# Altium PCB CSI2-ZCU106-EVK_Rev01.PcbDoc (part 1 of 4) (continued)
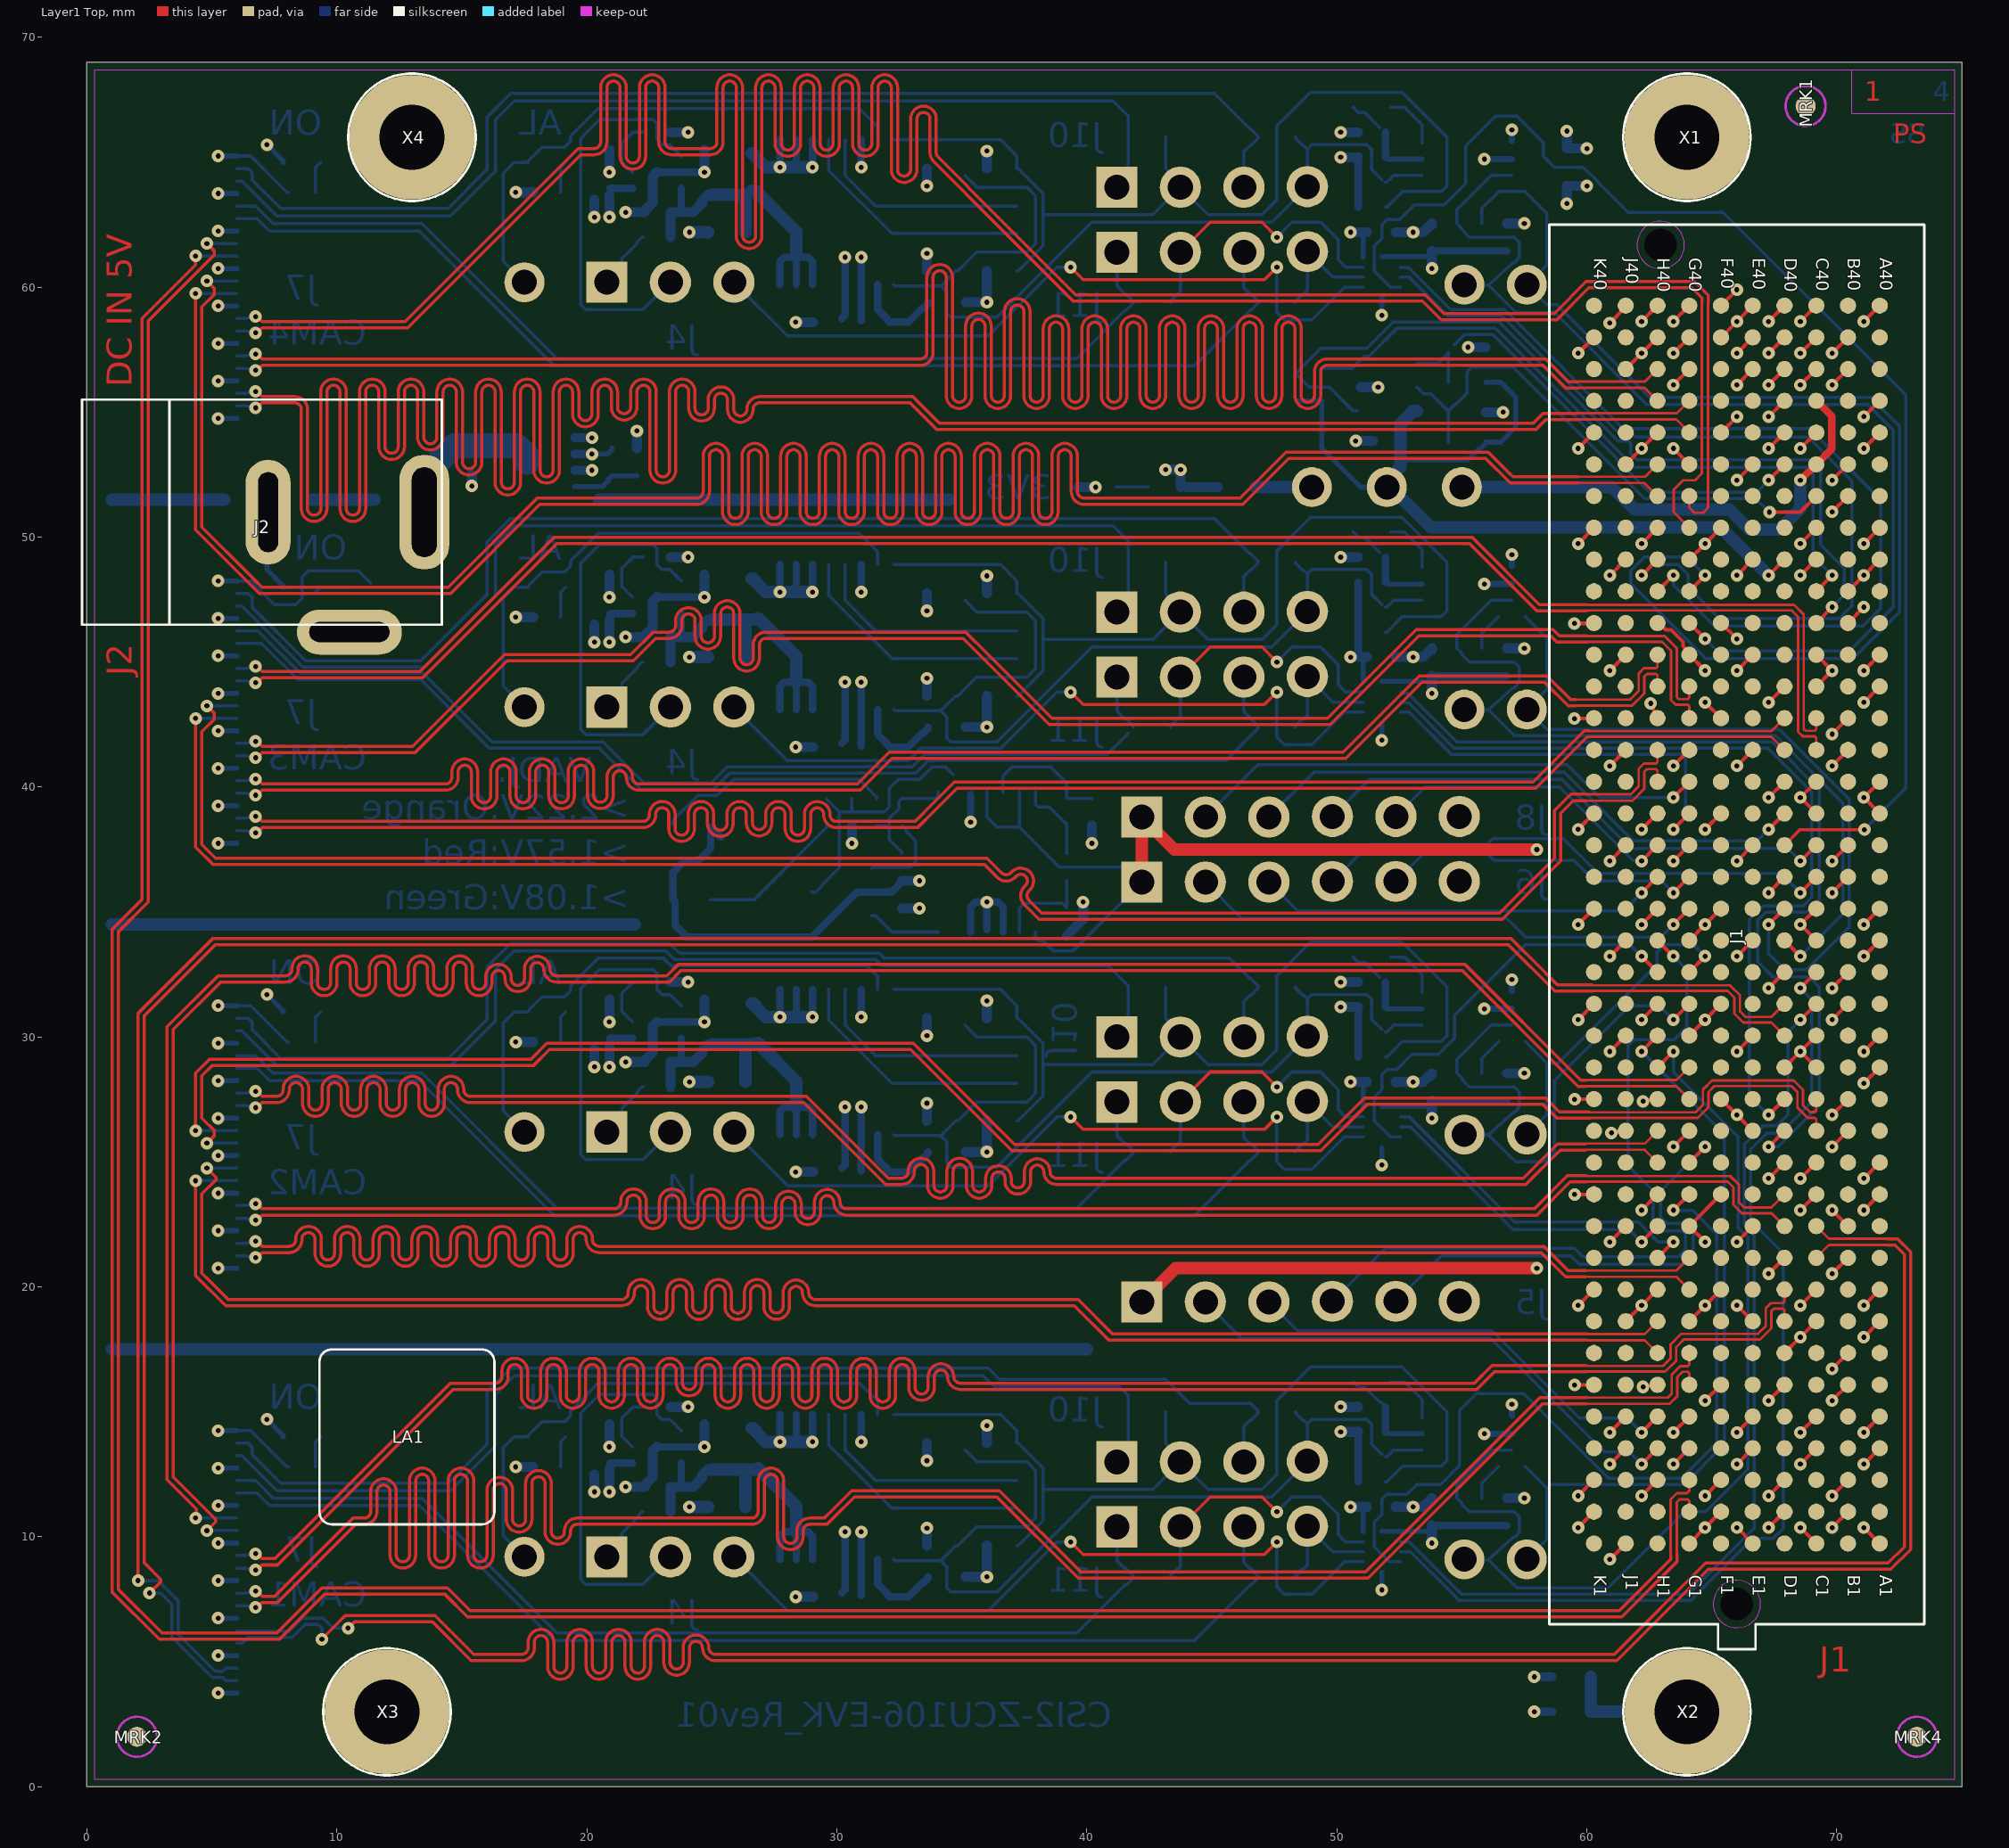
[diagram p0: Layer1 Top view]
## Classes and differential pairs
channel class CSI2-ZCU106-EVK-2_Rev01: CAM1 CAM2 CAM3 CAM4
component class CAM4: C1_CAM4 C13_CAM4 C14_CAM4 C15_CAM4 C16_CAM4 C17_CAM4 C18_CAM4 C19_CAM4 C20_CAM4 D5_CAM4 D6_CAM4 J3_CAM4 J4_CAM4 J7_CAM4 J10_CAM4 J11_CAM4 J12_CAM4 J13_CAM4 R18_CAM4 R21_CAM4 R33_CAM4 R34_CAM4 R35_CAM4 R36_CAM4 R37_CAM4 R38_CAM4 R39_CAM4 R40_CAM4 R41_CAM4 R42_CAM4 R43_CAM4 R44_CAM4 R45_CAM4 R46_CAM4 R47_CAM4 R48_CAM4 R49_CAM4 R50_CAM4 R51_CAM4 R52_CAM4 R53_CAM4 R54_CAM4 R55_CAM4 TP4_CAM4 TP5_CAM4 TP6_CAM4 U6_CAM4 U7_CAM4 U8_CAM4 U9_CAM4
component class CAM3: C1_CAM3 C13_CAM3 C14_CAM3 C15_CAM3 C16_CAM3 C17_CAM3 C18_CAM3 C19_CAM3 C20_CAM3 D5_CAM3 D6_CAM3 J3_CAM3 J4_CAM3 J7_CAM3 J10_CAM3 J11_CAM3 J12_CAM3 J13_CAM3 R18_CAM3 R21_CAM3 R33_CAM3 R34_CAM3 R35_CAM3 R36_CAM3 R37_CAM3 R38_CAM3 R39_CAM3 R40_CAM3 R41_CAM3 R42_CAM3 R43_CAM3 R44_CAM3 R45_CAM3 R46_CAM3 R47_CAM3 R48_CAM3 R49_CAM3 R50_CAM3 R51_CAM3 R52_CAM3 R53_CAM3 R54_CAM3 R55_CAM3 TP4_CAM3 TP5_CAM3 TP6_CAM3 U6_CAM3 U7_CAM3 U8_CAM3 U9_CAM3
component class CAM2: C1_CAM2 C13_CAM2 C14_CAM2 C15_CAM2 C16_CAM2 C17_CAM2 C18_CAM2 C19_CAM2 C20_CAM2 D5_CAM2 D6_CAM2 J3_CAM2 J4_CAM2 J7_CAM2 J10_CAM2 J11_CAM2 J12_CAM2 J13_CAM2 R18_CAM2 R21_CAM2 R33_CAM2 R34_CAM2 R35_CAM2 R36_CAM2 R37_CAM2 R38_CAM2 R39_CAM2 R40_CAM2 R41_CAM2 R42_CAM2 R43_CAM2 R44_CAM2 R45_CAM2 R46_CAM2 R47_CAM2 R48_CAM2 R49_CAM2 R50_CAM2 R51_CAM2 R52_CAM2 R53_CAM2 R54_CAM2 R55_CAM2 TP4_CAM2 TP5_CAM2 TP6_CAM2 U6_CAM2 U7_CAM2 U8_CAM2 U9_CAM2
component class CAM1: C1_CAM1 C13_CAM1 C14_CAM1 C15_CAM1 C16_CAM1 C17_CAM1 C18_CAM1 C19_CAM1 C20_CAM1 D5_CAM1 D6_CAM1 J3_CAM1 J4_CAM1 J7_CAM1 J10_CAM1 J11_CAM1 J12_CAM1 J13_CAM1 R18_CAM1 R21_CAM1 R33_CAM1 R34_CAM1 R35_CAM1 R36_CAM1 R37_CAM1 R38_CAM1 R39_CAM1 R40_CAM1 R41_CAM1 R42_CAM1 R43_CAM1 R44_CAM1 R45_CAM1 R46_CAM1 R47_CAM1 R48_CAM1 R49_CAM1 R50_CAM1 R51_CAM1 R52_CAM1 R53_CAM1 R54_CAM1 R55_CAM1 TP4_CAM1 TP5_CAM1 TP6_CAM1 U6_CAM1 U7_CAM1 U8_CAM1 U9_CAM1
component class CSI2-ZCU106-EVK-1_Rev01: C2 C3 D1 D2 D3 J1 J2 J5 J6 J8 LA1 MRK1 MRK2 MRK3 MRK4 MRK5 MRK6 PCB1 Q1 Q2 R1 R2 R3 R4 R5 R6 R7 R8 R9 R10 R11 R12 R13 R14 R15 R16 R17 R19 R20 R30 R31 R32 T1 T2 TP1 TP2 TP3 U1 U2 X1 X2 X3 X4
differential pair B7-CSI2-TXD3_CAM4: +B7-CSI2-TXD3_CAM4_P -B7-CSI2-TXD3_CAM4_N
differential pair B7-CSI2-TXD3_CAM3: +B7-CSI2-TXD3_CAM3_P -B7-CSI2-TXD3_CAM3_N
differential pair B7-CSI2-TXD3_CAM2: +B7-CSI2-TXD3_CAM2_P -B7-CSI2-TXD3_CAM2_N
differential pair B7-CSI2-TXD3_CAM1: +B7-CSI2-TXD3_CAM1_P -B7-CSI2-TXD3_CAM1_N
differential pair B7-CSI2-TXD2_CAM4: +B7-CSI2-TXD2_CAM4_P -B7-CSI2-TXD2_CAM4_N
differential pair B7-CSI2-TXD2_CAM3: +B7-CSI2-TXD2_CAM3_P -B7-CSI2-TXD2_CAM3_N
differential pair B7-CSI2-TXD2_CAM2: +B7-CSI2-TXD2_CAM2_P -B7-CSI2-TXD2_CAM2_N
differential pair B7-CSI2-TXD2_CAM1: +B7-CSI2-TXD2_CAM1_P -B7-CSI2-TXD2_CAM1_N
differential pair B7-CSI2-TXD1_CAM4: +B7-CSI2-TXD1_CAM4_P -B7-CSI2-TXD1_CAM4_N
differential pair B7-CSI2-TXD1_CAM3: +B7-CSI2-TXD1_CAM3_P -B7-CSI2-TXD1_CAM3_N
differential pair B7-CSI2-TXD1_CAM2: +B7-CSI2-TXD1_CAM2_P -B7-CSI2-TXD1_CAM2_N
differential pair B7-CSI2-TXD1_CAM1: +B7-CSI2-TXD1_CAM1_P -B7-CSI2-TXD1_CAM1_N
differential pair B7-CSI2-TXD0_CAM4: +B7-CSI2-TXD0_CAM4_P -B7-CSI2-TXD0_CAM4_N
differential pair B7-CSI2-TXD0_CAM3: +B7-CSI2-TXD0_CAM3_P -B7-CSI2-TXD0_CAM3_N
differential pair B7-CSI2-TXD0_CAM2: +B7-CSI2-TXD0_CAM2_P -B7-CSI2-TXD0_CAM2_N
differential pair B7-CSI2-TXD0_CAM1: +B7-CSI2-TXD0_CAM1_P -B7-CSI2-TXD0_CAM1_N
differential pair B7-CSI2-TXC_CAM4: +B7-CSI2-TXC_CAM4_P -B7-CSI2-TXC_CAM4_N
differential pair B7-CSI2-TXC_CAM3: +B7-CSI2-TXC_CAM3_P -B7-CSI2-TXC_CAM3_N
differential pair B7-CSI2-TXC_CAM2: +B7-CSI2-TXC_CAM2_P -B7-CSI2-TXC_CAM2_N
differential pair B7-CSI2-TXC_CAM1: +B7-CSI2-TXC_CAM1_P -B7-CSI2-TXC_CAM1_N

## Components (designator, comment, footprint, x,y, rotation, side; value= is the part's Value field where it differs from the comment)
C1_CAM1 "100n" C-0402_0.55 29.6,7.6 r180 bottom (schematic designator C1)
C1_CAM2 "100n" C-0402_0.55 29.6,24.6 r180 bottom (schematic designator C1)
C1_CAM3 "100n" C-0402_0.55 29.6,41.6 r180 bottom (schematic designator C1)
C1_CAM4 "100n" C-0402_0.55 29.6,58.6 r180 bottom (schematic designator C1)
C2 "100n" C-0402_0.55 52,53.8 r180 bottom
C3 "NL" C-0603_1.0 59.4,3 r0 bottom
C13_CAM1 "100n" C-0402_0.55 31.6,7.6 r180 bottom (schematic designator C13)
C13_CAM2 "100n" C-0402_0.55 31.6,24.6 r180 bottom (schematic designator C13)
C13_CAM3 "100n" C-0402_0.55 31.6,41.6 r180 bottom (schematic designator C13)
C13_CAM4 "100n" C-0402_0.55 31.6,58.6 r180 bottom (schematic designator C13)
C14_CAM1 "10u" C-0805_1.4 25,13.6 r90 bottom (schematic designator C14)
C14_CAM2 "10u" C-0805_1.4 25,30.6 r90 bottom (schematic designator C14)
C14_CAM3 "10u" C-0805_1.4 25,47.6 r90 bottom (schematic designator C14)
C14_CAM4 "10u" C-0805_1.4 25,64.6 r90 bottom (schematic designator C14)
C15_CAM1 "10u" C-0805_1.4 20.6,13.6 r90 bottom (schematic designator C15)
C15_CAM2 "10u" C-0805_1.4 20.6,30.6 r90 bottom (schematic designator C15)
C15_CAM3 "10u" C-0805_1.4 20.6,47.6 r90 bottom (schematic designator C15)
C15_CAM4 "10u" C-0805_1.4 20.6,64.6 r90 bottom (schematic designator C15)
C16_CAM1 "100n" C-0402_0.55 22.8,12 r180 bottom (schematic designator C16)
C16_CAM2 "100n" C-0402_0.55 22.8,29 r180 bottom (schematic designator C16)
C16_CAM3 "100n" C-0402_0.55 22.8,46 r180 bottom (schematic designator C16)
C16_CAM4 "100n" C-0402_0.55 22.8,63 r180 bottom (schematic designator C16)
C17_CAM1 "100n" C-0402_0.55 56.8,11 r90 bottom (schematic designator C17)
C17_CAM2 "100n" C-0402_0.55 56.8,28 r90 bottom (schematic designator C17)
C17_CAM3 "100n" C-0402_0.55 56.8,45 r90 bottom (schematic designator C17)
C17_CAM4 "100n" C-0402_0.55 56.8,62 r90 bottom (schematic designator C17)
C18_CAM1 "100p" C-0402_0.55 51.4,15.2 r180 bottom (schematic designator C18)
C18_CAM2 "100p" C-0402_0.55 51.4,32.2 r180 bottom (schematic designator C18)
C18_CAM3 "100p" C-0402_0.55 51.4,49.2 r180 bottom (schematic designator C18)
C18_CAM4 "100p" C-0402_0.55 51.4,66.2 r180 bottom (schematic designator C18)
C19_CAM1 "100n" C-0402_0.55 53.8,11 r90 bottom (schematic designator C19)
C19_CAM2 "100n" C-0402_0.55 53.8,28 r90 bottom (schematic designator C19)
C19_CAM3 "100n" C-0402_0.55 53.8,45 r90 bottom (schematic designator C19)
C19_CAM4 "100n" C-0402_0.55 53.8,62 r90 bottom (schematic designator C19)
C20_CAM1 "100n" C-0402_0.55 51.8,11.2 r0 bottom (schematic designator C20)
C20_CAM2 "100n" C-0402_0.55 51.8,28.2 r0 bottom (schematic designator C20)
C20_CAM3 "100n" C-0402_0.55 51.8,45.2 r0 bottom (schematic designator C20)
C20_CAM4 "100n" C-0402_0.55 51.8,62.2 r0 bottom (schematic designator C20)
D1 "GREEN" D-0603-LED 40.4,52 r0 bottom
D2 "ESD9B5.0ST5G" D-SOD923 15.4,53 r90 bottom
D3 "RT/GN" LED-PLCC4 24.2,37 r0 bottom
D5_CAM1 "RED" D-0603-LED 18.4,14 r0 bottom (schematic designator D5)
D5_CAM2 "RED" D-0603-LED 18.4,31 r0 bottom (schematic designator D5)
D5_CAM3 "RED" D-0603-LED 18.4,48 r0 bottom (schematic designator D5)
D5_CAM4 "RED" D-0603-LED 18.4,65 r0 bottom (schematic designator D5)
D6_CAM1 "GREEN" D-0603-LED 8.6,14 r0 bottom (schematic designator D6)
D6_CAM2 "GREEN" D-0603-LED 8.6,31 r0 bottom (schematic designator D6)
D6_CAM3 "GREEN" D-0603-LED 8.6,48 r0 bottom (schematic designator D6)
D6_CAM4 "GREEN" D-0603-LED 8.6,65 r0 bottom (schematic designator D6)
J1 "FMC HPC Male" J-ASP-134488-01 66,34.5 r270 top locked
J2 "PowerJack" CON_RAPC722 13.5,51 r270 top
J3_CAM1 "Jumper" J-JUMPER-2.54 22,9.2 r0 bottom (schematic designator J3)
J3_CAM2 "Jumper" J-JUMPER-2.54 22,26.2 r0 bottom (schematic designator J3)
J3_CAM3 "Jumper" J-JUMPER-2.54 22,43.2 r0 bottom (schematic designator J3)
J3_CAM4 "Jumper" J-JUMPER-2.54 22,60.2 r0 bottom (schematic designator J3)
J4_CAM1 "CON1x3" "CON 1x3 RM2.54" 20.8,9.2 r0 bottom (schematic designator J4)
J4_CAM2 "CON1x3" "CON 1x3 RM2.54" 20.8,26.2 r0 bottom (schematic designator J4)
J4_CAM3 "CON1x3" "CON 1x3 RM2.54" 20.8,43.2 r0 bottom (schematic designator J4)
J4_CAM4 "CON1x3" "CON 1x3 RM2.54" 20.8,60.2 r0 bottom (schematic designator J4)
J5 "CON1x6" "CON 1x6 RM2.54" 42.2,19.4 r0 bottom
J6 "CON1x6" "CON 1x6 RM2.54" 42.2,36.2 r0 bottom
J7_CAM1 "CON FFC22_Inverted" "J-FH55-22S-0.5SH - Inverted Pins" 6,9 r90 bottom (schematic designator J7)
J7_CAM2 "CON FFC22_Inverted" "J-FH55-22S-0.5SH - Inverted Pins" 6,26 r90 bottom (schematic designator J7)
J7_CAM3 "CON FFC22_Inverted" "J-FH55-22S-0.5SH - Inverted Pins" 6,43 r90 bottom (schematic designator J7)
J7_CAM4 "CON FFC22_Inverted" "J-FH55-22S-0.5SH - Inverted Pins" 6,60 r90 bottom (schematic designator J7)
J8 "CON1x6" "CON 1x6 RM2.54" 42.2,38.8 r0 bottom
J10_CAM1 "CON1x4" "CON 1x4 RM2.54" 41.2,13 r0 bottom (schematic designator J10)
J10_CAM2 "CON1x4" "CON 1x4 RM2.54" 41.2,30 r0 bottom (schematic designator J10)
J10_CAM3 "CON1x4" "CON 1x4 RM2.54" 41.2,47 r0 bottom (schematic designator J10)
J10_CAM4 "CON1x4" "CON 1x4 RM2.54" 41.2,64 r0 bottom (schematic designator J10)
J11_CAM1 "CON1x4" "CON 1x4 RM2.54" 41.2,10.4 r0 bottom (schematic designator J11)
J11_CAM2 "CON1x4" "CON 1x4 RM2.54" 41.2,27.4 r0 bottom (schematic designator J11)
J11_CAM3 "CON1x4" "CON 1x4 RM2.54" 41.2,44.4 r0 bottom (schematic designator J11)
J11_CAM4 "CON1x4" "CON 1x4 RM2.54" 41.2,61.4 r0 bottom (schematic designator J11)
J12_CAM1 "Jumper" J-JUMPER-2.54 42.4,10.4 r0 bottom (schematic designator J12)
J12_CAM2 "Jumper" J-JUMPER-2.54 42.4,27.4 r0 bottom (schematic designator J12)
J12_CAM3 "Jumper" J-JUMPER-2.54 42.4,44.4 r0 bottom (schematic designator J12)
J12_CAM4 "Jumper" J-JUMPER-2.54 42.4,61.4 r0 bottom (schematic designator J12)
J13_CAM1 "Jumper" J-JUMPER-2.54 47.6,10.4 r0 bottom (schematic designator J13)
J13_CAM2 "Jumper" J-JUMPER-2.54 47.6,27.4 r0 bottom (schematic designator J13)
J13_CAM3 "Jumper" J-JUMPER-2.54 47.6,44.4 r0 bottom (schematic designator J13)
J13_CAM4 "Jumper" J-JUMPER-2.54 47.6,61.4 r0 bottom (schematic designator J13)
LA1 "LABEL 7x7mm" "PCB LABEL 7x7" 12.8,14 r0 top
MRK1 "Marker Single Layer" PCB_MARKER_PAD_TOP 68.75,67.25 r0 top
MRK2 "Marker Single Layer" PCB_Marker_Pad_top 2,2 r0 top
MRK3 "Marker Single Layer" PCB_MARKER_PAD_TOP 68.75,67.25 r180 bottom
MRK4 "Marker Single Layer" PCB_Marker_Pad_top 73.2,2 r0 top
MRK5 "Marker Single Layer" PCB_Marker_Pad_top 72,2 r180 bottom
MRK6 "Marker Single Layer" PCB_Marker_Pad_top 7,2 r180 bottom
Q1 "BC847C" IC-SOT23-3 30.2,35.8 r270 bottom
Q2 "Si7629DN" IC-POWERPAK_1212-8_3.4x3.4x1.1 18,53 r180 bottom
R1 "3k3" R-0402_0.4 40.2,39 r90 bottom
R2 "1k5" R-0402_0.4 43.2,52 r180 bottom
R3 "10k" R-0402_0.4 32.6,34.6 r270 bottom
R4 "10k" R-0402_0.4 32.6,36.8 r90 bottom
R5 "10k" R-0402_0.4 30.6,39 r90 bottom
R6 "0R0" R-0603_0.6 59.4,4.4 r180 bottom
R7 "2k0" R-0402_0.4 39.2,39 r270 bottom
R8 "240R" R-0402_0.4 31.6,39 r90 bottom
R9 "10k" R-0402_0.4 32.6,39 r270 bottom
R10 "240R" R-0402_0.4 29.6,39 r270 bottom
R11 "1k5" R-0402_0.4 39.2,36.8 r270 bottom
R12 "3k3" R-0402_0.4 39.2,34.6 r270 bottom
R13 "3k3" R-0402_0.4 48.4,56 r270 bottom
R14 "3k3" R-0402_0.4 49.4,56 r270 bottom
R15 "NL" R-0603_0.6 55.2,57.4 r0 bottom
R16 "NL" R-0603_0.6 55.2,55 r0 bottom
R17 "0R0" R-0603_0.6 59.2,64.8 r90 bottom
R18_CAM1 "NL" R-0603_0.6 25.6,11.2 r0 bottom (schematic designator R18)
R18_CAM2 "NL" R-0603_0.6 25.6,28.2 r0 bottom (schematic designator R18)
R18_CAM3 "NL" R-0603_0.6 25.6,45.2 r0 bottom (schematic designator R18)
R18_CAM4 "NL" R-0603_0.6 25.6,62.2 r0 bottom (schematic designator R18)
R19 "NL" R-0603_0.6 55.2,56.2 r180 bottom
R20 "NL" R-0603_0.6 55.2,53.8 r180 bottom
R21_CAM1 "0R0" R-0603_0.6 51.4,16.2 r0 bottom (schematic designator R21)
R21_CAM2 "0R0" R-0603_0.6 51.4,33.2 r0 bottom (schematic designator R21)
R21_CAM3 "0R0" R-0603_0.6 51.4,50.2 r0 bottom (schematic designator R21)
R21_CAM4 "0R0" R-0603_0.6 51.4,67.2 r0 bottom (schematic designator R21)
R30 "0R0" R-0603_0.6 46,52 r180 bottom
R31 "10k" R-0402_0.4 21,53 r270 bottom
R32 "10k" R-0402_0.4 22,53 r270 bottom
R33_CAM1 "NL" R-0603_0.6 26.6,13.6 r90 bottom (schematic designator R33)
R33_CAM2 "NL" R-0603_0.6 26.6,30.6 r90 bottom (schematic designator R33)
R33_CAM3 "NL" R-0603_0.6 26.6,47.6 r90 bottom (schematic designator R33)
R33_CAM4 "NL" R-0603_0.6 26.6,64.6 r90 bottom (schematic designator R33)
R34_CAM1 "NL" R-0603_0.6 36,13 r270 bottom (schematic designator R34)
R34_CAM2 "NL" R-0603_0.6 36,30 r270 bottom (schematic designator R34)
R34_CAM3 "NL" R-0603_0.6 36,47 r270 bottom (schematic designator R34)
R34_CAM4 "NL" R-0603_0.6 36,64 r270 bottom (schematic designator R34)
R35_CAM1 "0R0" R-0603_0.6 36,10.4 r90 bottom (schematic designator R35)
R35_CAM2 "0R0" R-0603_0.6 36,27.4 r90 bottom (schematic designator R35)
R35_CAM3 "0R0" R-0603_0.6 36,44.4 r90 bottom (schematic designator R35)
R35_CAM4 "0R0" R-0603_0.6 36,61.4 r90 bottom (schematic designator R35)
R36_CAM1 "NL" R-0603_0.6 37.2,13 r270 bottom (schematic designator R36)
R36_CAM2 "NL" R-0603_0.6 37.2,30 r270 bottom (schematic designator R36)
R36_CAM3 "NL" R-0603_0.6 37.2,47 r270 bottom (schematic designator R36)
R36_CAM4 "NL" R-0603_0.6 37.2,64 r270 bottom (schematic designator R36)
R37_CAM1 "NL" R-0603_0.6 37.2,10.4 r90 bottom (schematic designator R37)
R37_CAM2 "NL" R-0603_0.6 37.2,27.4 r90 bottom (schematic designator R37)
R37_CAM3 "NL" R-0603_0.6 37.2,44.4 r90 bottom (schematic designator R37)
R37_CAM4 "NL" R-0603_0.6 37.2,61.4 r90 bottom (schematic designator R37)
R38_CAM1 "0R0" R-0603_0.6 34.4,8.4 r180 bottom (schematic designator R38)
R38_CAM2 "0R0" R-0603_0.6 34.4,25.4 r180 bottom (schematic designator R38)
R38_CAM3 "0R0" R-0603_0.6 34.4,42.4 r180 bottom (schematic designator R38)
R38_CAM4 "0R0" R-0603_0.6 34.4,59.4 r180 bottom (schematic designator R38)
R39_CAM1 "NL" R-0603_0.6 34.8,13 r270 bottom (schematic designator R39)
R39_CAM2 "NL" R-0603_0.6 34.8,30 r270 bottom (schematic designator R39)
R39_CAM3 "NL" R-0603_0.6 34.8,47 r270 bottom (schematic designator R39)
R39_CAM4 "NL" R-0603_0.6 34.8,64 r270 bottom (schematic designator R39)
R40_CAM1 "NL" R-0603_0.6 34.8,10.4 r90 bottom (schematic designator R40)
R40_CAM2 "NL" R-0603_0.6 34.8,27.4 r90 bottom (schematic designator R40)
R40_CAM3 "NL" R-0603_0.6 34.8,44.4 r90 bottom (schematic designator R40)
R40_CAM4 "NL" R-0603_0.6 34.8,61.4 r90 bottom (schematic designator R40)
R41_CAM1 "0R0" R-0603_0.6 33.6,13 r270 bottom (schematic designator R41)
R41_CAM2 "0R0" R-0603_0.6 33.6,30 r270 bottom (schematic designator R41)
R41_CAM3 "0R0" R-0603_0.6 33.6,47 r270 bottom (schematic designator R41)
R41_CAM4 "0R0" R-0603_0.6 33.6,64 r270 bottom (schematic designator R41)
R42_CAM1 "NL" R-0603_0.6 33.6,10.4 r90 bottom (schematic designator R42)
R42_CAM2 "NL" R-0603_0.6 33.6,27.4 r90 bottom (schematic designator R42)
R42_CAM3 "NL" R-0603_0.6 33.6,44.4 r90 bottom (schematic designator R42)
R42_CAM4 "NL" R-0603_0.6 33.6,61.4 r90 bottom (schematic designator R42)
R43_CAM1 "1k5" R-0402_0.4 18.4,12.8 r0 bottom (schematic designator R43)
R43_CAM2 "1k5" R-0402_0.4 18.4,29.8 r0 bottom (schematic designator R43)
R43_CAM3 "1k5" R-0402_0.4 18.4,46.8 r0 bottom (schematic designator R43)
R43_CAM4 "1k5" R-0402_0.4 18.4,63.8 r0 bottom (schematic designator R43)
R44_CAM1 "270K" R-0402_0.4 22.8,11 r180 bottom (schematic designator R44)
R44_CAM2 "270K" R-0402_0.4 22.8,28 r180 bottom (schematic designator R44)
R44_CAM3 "270K" R-0402_0.4 22.8,45 r180 bottom (schematic designator R44)
R44_CAM4 "270K" R-0402_0.4 22.8,62 r180 bottom (schematic designator R44)
R45_CAM1 "3k3" R-0402_0.4 8.6,12.8 r0 bottom (schematic designator R45)
R45_CAM2 "3k3" R-0402_0.4 8.6,29.8 r0 bottom (schematic designator R45)
R45_CAM3 "3k3" R-0402_0.4 11,48 r180 bottom (schematic designator R45)
R45_CAM4 "3k3" R-0402_0.4 8.6,63.8 r0 bottom (schematic designator R45)
R46_CAM1 "51k" R-0402_0.4 22.8,15.2 r180 bottom (schematic designator R46)
R46_CAM2 "51k" R-0402_0.4 22.8,32.2 r180 bottom (schematic designator R46)
R46_CAM3 "51k" R-0402_0.4 22.8,49.2 r180 bottom (schematic designator R46)
R46_CAM4 "51k" R-0402_0.4 22.8,66.2 r180 bottom (schematic designator R46)
R47_CAM1 "0R0" R-0603_0.6 47.6,15 r0 bottom (schematic designator R47)
R47_CAM2 "0R0" R-0603_0.6 47.6,32 r0 bottom (schematic designator R47)
R47_CAM3 "0R0" R-0603_0.6 47.6,49 r0 bottom (schematic designator R47)
R47_CAM4 "0R0" R-0603_0.6 47.6,66 r0 bottom (schematic designator R47)
R48_CAM1 "0R0" R-0603_0.6 42.4,15 r0 bottom (schematic designator R48)
R48_CAM2 "0R0" R-0603_0.6 42.4,32 r0 bottom (schematic designator R48)
R48_CAM3 "0R0" R-0603_0.6 42.4,49 r0 bottom (schematic designator R48)
R48_CAM4 "0R0" R-0603_0.6 42.4,66 r0 bottom (schematic designator R48)
R49_CAM1 "NL" R-0603_0.6 47.6,8.4 r0 bottom (schematic designator R49)
R49_CAM2 "NL" R-0603_0.6 47.6,25.4 r0 bottom (schematic designator R49)
R49_CAM3 "NL" R-0603_0.6 47.6,42.4 r0 bottom (schematic designator R49)
R49_CAM4 "NL" R-0603_0.6 47.6,59.4 r0 bottom (schematic designator R49)
R50_CAM1 "NL" R-0603_0.6 42.6,8.4 r0 bottom (schematic designator R50)
R50_CAM2 "NL" R-0603_0.6 42.6,25.4 r0 bottom (schematic designator R50)
R50_CAM3 "NL" R-0603_0.6 42.6,42.4 r0 bottom (schematic designator R50)
R50_CAM4 "NL" R-0603_0.6 42.6,59.4 r0 bottom (schematic designator R50)
R51_CAM1 "200k" R-0402_0.4 51.4,14.2 r180 bottom (schematic designator R51)
R51_CAM2 "200k" R-0402_0.4 51.4,31.2 r180 bottom (schematic designator R51)
R51_CAM3 "200k" R-0402_0.4 51.4,48.2 r180 bottom (schematic designator R51)
R51_CAM4 "200k" R-0402_0.4 51.4,65.2 r180 bottom (schematic designator R51)
R52_CAM1 "2k0" R-0402_0.4 55.8,11 r90 bottom (schematic designator R52)
R52_CAM2 "2k0" R-0402_0.4 55.8,28 r90 bottom (schematic designator R52)
R52_CAM3 "2k0" R-0402_0.4 55.8,45 r90 bottom (schematic designator R52)
R52_CAM4 "2k0" R-0402_0.4 55.8,62 r90 bottom (schematic designator R52)
R53_CAM1 "2k0" R-0402_0.4 54.8,11 r90 bottom (schematic designator R53)
R53_CAM2 "2k0" R-0402_0.4 54.8,28 r90 bottom (schematic designator R53)
R53_CAM3 "2k0" R-0402_0.4 54.8,45 r90 bottom (schematic designator R53)
R53_CAM4 "2k0" R-0402_0.4 54.8,62 r90 bottom (schematic designator R53)
R54_CAM1 "2k0" R-0402_0.4 51.4,13.2 r180 bottom (schematic designator R54)
R54_CAM2 "2k0" R-0402_0.4 51.4,30.2 r180 bottom (schematic designator R54)
R54_CAM3 "2k0" R-0402_0.4 51.4,47.2 r180 bottom (schematic designator R54)
R54_CAM4 "2k0" R-0402_0.4 51.4,64.2 r180 bottom (schematic designator R54)
R55_CAM1 "2k0" R-0402_0.4 51.4,12.2 r180 bottom (schematic designator R55)
R55_CAM2 "2k0" R-0402_0.4 51.4,29.2 r180 bottom (schematic designator R55)
R55_CAM3 "2k0" R-0402_0.4 51.4,46.2 r180 bottom (schematic designator R55)
R55_CAM4 "2k0" R-0402_0.4 51.4,63.2 r180 bottom (schematic designator R55)
T1 "PCB Text TOP" "PCB TEXTFIELD TOP 2" -5,-8 r0 top locked
T2 "PCB Text BOT" "PCB TEXTFIELD BOT 2" -5,-8 r180 bottom locked
TP1 "TP" TP_16_10 49,52 r180 bottom
TP2 "TP" TP_16_10 52,52 r180 bottom
TP3 "TP" TP_16_10 55,52 r180 bottom
TP4_CAM1 "TP" TP_16_10 17.5,9.2 r90 bottom (schematic designator TP4)
TP4_CAM2 "TP" TP_16_10 17.5,26.2 r90 bottom (schematic designator TP4)
TP4_CAM3 "TP" TP_16_10 17.5,43.2 r90 bottom (schematic designator TP4)
TP4_CAM4 "TP" TP_16_10 17.5,60.2 r90 bottom (schematic designator TP4)
TP5_CAM1 "TP" TP_16_10 57.6,9.1 r180 bottom (schematic designator TP5)
TP5_CAM2 "TP" TP_16_10 57.6,26.1 r180 bottom (schematic designator TP5)
TP5_CAM3 "TP" TP_16_10 57.6,43.1 r180 bottom (schematic designator TP5)
TP5_CAM4 "TP" TP_16_10 57.6,60.1 r180 bottom (schematic designator TP5)
TP6_CAM1 "TP" TP_16_10 55.1,9.1 r180 bottom (schematic designator TP6)
TP6_CAM2 "TP" TP_16_10 55.1,26.1 r180 bottom (schematic designator TP6)
TP6_CAM3 "TP" TP_16_10 55.1,43.1 r180 bottom (schematic designator TP6)
TP6_CAM4 "TP" TP_16_10 55.1,60.1 r180 bottom (schematic designator TP6)
U1 "LM2901DTBR2G" IC-SO14_5.1x6.6x1.2 36,37 r270 bottom
U2 "24LC025T-I/OT" IC-SOT23-6 52,56 r90 bottom
U6_CAM1 "INA260AIPWR" "IC-TSSOP16 6.4x5.1x1.2" 30,12 r270 bottom (schematic designator U6)
U6_CAM2 "INA260AIPWR" "IC-TSSOP16 6.4x5.1x1.2" 30,29 r270 bottom (schematic designator U6)
U6_CAM3 "INA260AIPWR" "IC-TSSOP16 6.4x5.1x1.2" 30,46 r270 bottom (schematic designator U6)
U6_CAM4 "INA260AIPWR" "IC-TSSOP16 6.4x5.1x1.2" 30,63 r270 bottom (schematic designator U6)
U7_CAM1 "TPS25200DRVT" IC-DFN06_2.0x2.0x0.8#1 22.8,13.6 r90 bottom (schematic designator U7)
U7_CAM2 "TPS25200DRVT" IC-DFN06_2.0x2.0x0.8#2 22.8,30.6 r90 bottom (schematic designator U7)
U7_CAM3 "TPS25200DRVT" IC-DFN06_2.0x2.0x0.8#2 22.8,47.6 r90 bottom (schematic designator U7)
U7_CAM4 "TPS25200DRVT" IC-DFN06_2.0x2.0x0.8#2 22.8,64.6 r90 bottom (schematic designator U7)
U8_CAM1 "PCA9306DCTR" IC-TSSOP8_3.15x4.25x1.3 55.2,13.8 r180 bottom (schematic designator U8)
U8_CAM2 "PCA9306DCTR" IC-TSSOP8_3.15x4.25x1.3 55.2,30.8 r180 bottom (schematic designator U8)
U8_CAM3 "PCA9306DCTR" IC-TSSOP8_3.15x4.25x1.3 55.2,47.8 r180 bottom (schematic designator U8)
U8_CAM4 "PCA9306DCTR" IC-TSSOP8_3.15x4.25x1.3 55.2,64.8 r180 bottom (schematic designator U8)
U9_CAM1 "NTB0104GU12,115" IC-XQFN12_1.7x2x0.5#1 51.8,9.4 r180 bottom (schematic designator U9)
U9_CAM2 "NTB0104GU12,115" IC-XQFN12_1.7x2x0.5#2 51.8,26.4 r180 bottom (schematic designator U9)
U9_CAM3 "NTB0104GU12,115" IC-XQFN12_1.7x2x0.5#2 51.8,43.4 r180 bottom (schematic designator U9)
U9_CAM4 "NTB0104GU12,115" IC-XQFN12_1.7x2x0.5#2 51.8,60.4 r180 bottom (schematic designator U9)
X1 "Hole" HOLE-2.6-5.0-DK 64,66 r0 top locked
X2 "Hole" HOLE-2.6-5.0-DK 64,3 r0 top locked
X3 "Hole" HOLE-2.6-5.0-DK 12,3 r0 top
X4 "Hole" HOLE-2.6-5.0-DK 13,66 r0 top

## Footprints (in the part's own frame and the unit in brackets; to place one, negate y for a bottom-side part, rotate by r counter-clockwise, add the part's x,y. Pads: shape width x height; smd on the part's side, far side on the other; paste and mask are expansions set on the pad)
C-0402_0.55 [mm]
  rrect20% 0.6x0.5 smd: 1(-0.55,0) 2(0.55,0)
  silkscreen extent -1,-0.4 1,0.4, body extent -0.53,-0.27 0.54,0.28, height 0.55
C-0603_1.0 [mm]
  rrect20% 0.7x0.8 smd: 1(-0.75,0) 2(0.75,0)
  silkscreen extent -1.25,-0.55 1.25,0.55, body extent -0.9,-0.5 0.9,0.5, height 0.99
C-0805_1.4 [mm]
  rrect20% 0.9x1.2 smd: 1(-0.9,0) 2(0.9,0)
  silkscreen extent -1.5,-0.75 1.5,0.75, body extent -1.1,-0.7 1.1,0.7, height 1.4
"CON 1x3 RM2.54" [mm]
  rect 1.65x1.65 hole 1: 1(0,0)
  round 1.65 hole 1: 2(2.54,0) 3(5.08,0)
  silkscreen extent -1.27,-1.27 6.35,1.27, body extent -1.28,-1.27 6.34,1.27, height 8.57
"CON 1x4 RM2.54" [mm] "RM2.54 Connector 1x4"
  rect 1.65x1.65 hole 1: 1(0,0)
  round 1.65 hole 1: 2(2.54,0) 3(5.08,0) 4(7.62,-0.025)
  silkscreen extent -1.27,-1.27 8.89,1.27, body extent -1.28,-1.27 8.88,1.27, height 8.57
"CON 1x6 RM2.54" [mm]
  rect 1.65x1.65 hole 1: 1(0,0)
  round 1.65 hole 1: 2(2.54,0) 3(5.08,0) 4(7.62,-0.025) 5(10.16,-0.025) 6(12.7,-0.025)
  silkscreen extent -1.27,-1.27 13.97,1.27, body extent -1.27,-1.27 13.97,1.27, height 8.57
CON_RAPC722 [mm] "Switchcraft PowerJack"
  oval 4.6x2 hole 1 slot 3.6 at 0 deg: 1(0,0)
  oval 1.8x4.2 hole 0.8 slot 3.2 at 90 deg: 2(4.8,-3)
  oval 4.2x1.8 hole 0.8 slot 3.2 at 0 deg: 3(0,-6.25)
  silkscreen extent -4.5,-13.7 4.5,0.7, body extent -4.4,-13.85 5,0.65, height 10.8
D-0603-LED [mm] "Osram Chip LED 0603"
  rrect20% 0.7x0.8 smd: A(0.75,0) K(-0.75,0)
  silkscreen extent -1.25,-0.55 1.25,0.55, body extent -0.82,-0.36 0.83,0.36, height 0.67
D-SOD923 [mm]
  rrect20% 0.3x0.4 smd: A(-0.45,0) K(0.45,0)
  silkscreen extent -0.5,-0.3 0.5,0.3, body extent -0.4,-0.3 0.4,0.3, height 0.4
HOLE-2.6-5.0-DK [mm]
  round 5 hole 2.6: 1(0,0)
  silkscreen extent -2.55,-2.55 2.55,2.55
IC-DFN06_2.0x2.0x0.8#1 [mm]
  rrect50% 0.4x0.45 smd: 1(-0.65,-0.975) 2(0,-0.975) 3(0.65,-0.975) 4(0.65,0.975) 5(0,0.975) 6(-0.65,0.975)
  rrect20% 1.7x1.1 smd: 7(0,0)
  silkscreen extent -1,-1 1,1, body extent -1,-1 1,1, height 0.85
IC-DFN06_2.0x2.0x0.8#2 [mm]
  rrect50% 0.4x0.45 smd paste-0.02: 1(-0.65,-0.975) 2(0,-0.975) 3(0.65,-0.975) 4(0.65,0.975) 5(0,0.975) 6(-0.65,0.975)
  rrect20% 1.7x1.1 smd paste-9: 7(0,0)
  silkscreen extent -1,-1 1,1, body extent -1,-1 1,1, height 0.85
IC-POWERPAK_1212-8_3.4x3.4x1.1 [mm]
  rrect10% 1.8x2.35 smd: D(0.4,0)
  rrect50% 0.8x0.4 smd: D(1.5,-0.975) D(1.5,-0.325) D(1.5,0.325) D(1.5,0.975) G(-1.5,-0.975) S(-1.5,-0.325) S(-1.5,0.325) S(-1.5,0.975)
  silkscreen extent -1.7,-1.7 1.7,1.7, body extent -1.7,-1.7 1.7,1.7, height 1.12
IC-SO14_5.1x6.6x1.2 [mm]
  oval 1.6x0.35 smd: 1(-2.8,1.95) 2(-2.8,1.3) 3(-2.8,0.65) 4(-2.8,0) 5(-2.8,-0.65) 6(-2.8,-1.3) 7(-2.8,-1.95) 8(2.8,-1.95) 9(2.8,-1.3) 10(2.8,-0.65) 11(2.8,0) 12(2.8,0.65) 13(2.8,1.3) 14(2.8,1.95)
  silkscreen extent -3.3,-2.55 3.3,2.55, body extent -3.21,-2.5 3.21,2.5, height 0.94
IC-SOT23-3 [mm]
  rrect20% 0.7x1 smd: 1(-0.95,-1.2) 2(0.95,-1.2) 3(0,1.2)
  silkscreen extent -1.55,-1.5 1.55,1.5, body extent -1.47,-1.25 1.45,1.22, height 1.03
IC-SOT23-6 [mm]
  rrect20% 0.7x1 smd: 1(-0.95,-1.2) 2(0,-1.2) 3(0.95,-1.2) 4(0.95,1.2) 5(0,1.2) 6(-0.95,1.2)
  silkscreen extent -1.55,-1.5 1.55,1.5, body extent -1.5,-1.5 1.5,1.5, height 1.31
IC-TSSOP8_3.15x4.25x1.3 [mm]
  oval 1.35x0.3 smd: 1(-1.8,0.975) 2(-1.8,0.325) 3(-1.8,-0.325) 4(-1.8,-0.975) 5(1.8,-0.975) 6(1.8,-0.325) 7(1.8,0.325) 8(1.8,0.975)
  silkscreen extent -2.1,-1.6 2.1,1.6, body extent -1.5,-1.6 1.5,1.6, height 1.35
"IC-TSSOP16 6.4x5.1x1.2" [mm]
  oval 1.4x0.4 smd: 1(-2.9,2.275) 2(-2.9,1.625) 3(-2.9,0.975) 4(-2.9,0.325) 5(-2.9,-0.325) 6(-2.9,-0.975) 7(-2.9,-1.625) 8(-2.9,-2.275) 9(2.9,-2.275) 10(2.9,-1.625) 11(2.9,-0.975) 12(2.9,-0.325) 13(2.9,0.325) 14(2.9,0.975) 15(2.9,1.625) 16(2.9,2.275)
  silkscreen extent -3.2,-2.6 3.2,2.6, body extent -3.2,-2.5 3.2,2.5, height 1.1
IC-XQFN12_1.7x2x0.5#1 [mm]
  rrect50% 0.5x0.32 smd: 1(-0.75,0.85)
  rrect50% 0.5x0.22 smd: 2(-0.75,0.4) 3(-0.75,0) 4(-0.75,-0.4) 5(-0.75,-0.8) 7(0.75,-0.8) 8(0.75,-0.4) 9(0.75,0) 10(0.75,0.4) 11(0.75,0.8)
  rrect50% 0.22x0.65 smd: 6(0,-0.825) 12(0,0.825)
  silkscreen extent -0.85,-1 0.85,1, body extent -0.85,-1 0.85,1, height 0.6
IC-XQFN12_1.7x2x0.5#2 [mm]
  rrect50% 0.5x0.32 smd paste-0.025 mask+0.05: 1(-0.75,0.85)
  rrect50% 0.5x0.22 smd paste-0.025 mask+0.05: 2(-0.75,0.4) 3(-0.75,0) 4(-0.75,-0.4) 5(-0.75,-0.8) 7(0.75,-0.8) 8(0.75,-0.4) 9(0.75,0) 10(0.75,0.4) 11(0.75,0.8)
  rrect50% 0.22x0.65 smd paste-0.02 mask+0.05: 6(0,-0.825)
  rrect50% 0.22x0.65 smd paste-0.025 mask+0.05: 12(0,0.825)
  silkscreen extent -0.85,-1 0.85,1, body extent -0.85,-1 0.85,1, height 0.6
J-ASP-134488-01 [mm]
  round 0 hole 1.3 unplated paste-9 mask+0.8: 1(-27.19,-3.05) 2(27.19,0)
  round 0.65 smd: A1(24.765,5.715) A2(23.495,5.715) A3(22.225,5.715) A4(20.955,5.715) A5(19.685,5.715) A6(18.415,5.715) A7(17.145,5.715) A8(15.875,5.715) A9(14.605,5.715) A10(13.335,5.715) A11(12.065,5.715) A12(10.795,5.715) A13(9.525,5.715) A14(8.255,5.715) A15(6.985,5.715) A16(5.715,5.715) A17(4.445,5.715) A18(3.175,5.715) A19(1.905,5.715) A20(0.635,5.715) A21(-0.635,5.715) A22(-1.905,5.715) A23(-3.175,5.715) A24(-4.445,5.715) A25(-5.715,5.715) A26(-6.985,5.715) A27(-8.255,5.715) A28(-9.525,5.715) A29(-10.795,5.715) A30(-12.065,5.715) A31(-13.335,5.715) A32(-14.605,5.715) A33(-15.875,5.715) A34(-17.145,5.715) A35(-18.415,5.715) A36(-19.685,5.715) A37(-20.955,5.715) A38(-22.225,5.715) A39(-23.495,5.715) A40(-24.765,5.715) B1(24.765,4.445) B2(23.495,4.445) B3(22.225,4.445) B4(20.955,4.445) B5(19.685,4.445) B6(18.415,4.445) B7(17.145,4.445) B8(15.875,4.445) B9(14.605,4.445) B10(13.335,4.445) B11(12.065,4.445) B12(10.795,4.445) B13(9.525,4.445) B14(8.255,4.445) B15(6.985,4.445) B16(5.715,4.445) B17(4.445,4.445) B18(3.175,4.445) B19(1.905,4.445) B20(0.635,4.445) B21(-0.635,4.445) B22(-1.905,4.445) B23(-3.175,4.445) B24(-4.445,4.445) B25(-5.715,4.445) B26(-6.985,4.445) B27(-8.255,4.445) B28(-9.525,4.445) B29(-10.795,4.445) B30(-12.065,4.445) B31(-13.335,4.445) B32(-14.605,4.445) B33(-15.875,4.445) B34(-17.145,4.445) B35(-18.415,4.445) B36(-19.685,4.445) B37(-20.955,4.445) B38(-22.225,4.445) B39(-23.495,4.445) B40(-24.765,4.445) C1(24.765,3.175) C2(23.495,3.175) C3(22.225,3.175) C4(20.955,3.175) C5(19.685,3.175) C6(18.415,3.175) C7(17.145,3.175) C8(15.875,3.175) C9(14.605,3.175) C10(13.335,3.175) C11(12.065,3.175) C12(10.795,3.175) C13(9.525,3.175) C14(8.255,3.175) C15(6.985,3.175) C16(5.715,3.175) C17(4.445,3.175) C18(3.175,3.175) C19(1.905,3.175) C20(0.635,3.175) C21(-0.635,3.175) C22(-1.905,3.175) C23(-3.175,3.175) C24(-4.445,3.175) C25(-5.715,3.175) C26(-6.985,3.175) C27(-8.255,3.175) C28(-9.525,3.175) C29(-10.795,3.175) C30(-12.065,3.175) C31(-13.335,3.175) C32(-14.605,3.175) C33(-15.875,3.175) C34(-17.145,3.175) C35(-18.415,3.175) C36(-19.685,3.175) C37(-20.955,3.175) C38(-22.225,3.175) C39(-23.495,3.175) C40(-24.765,3.175) D1(24.765,1.905) D2(23.495,1.905) D3(22.225,1.905) D4(20.955,1.905) D5(19.685,1.905) D6(18.415,1.905) D7(17.145,1.905) D8(15.875,1.905) D9(14.605,1.905) D10(13.335,1.905) D11(12.065,1.905) D12(10.795,1.905) D13(9.525,1.905) D14(8.255,1.905) D15(6.985,1.905) D16(5.715,1.905) D17(4.445,1.905) D18(3.175,1.905) D19(1.905,1.905) D20(0.635,1.905) D21(-0.635,1.905) D22(-1.905,1.905) D23(-3.175,1.905) D24(-4.445,1.905) D25(-5.715,1.905) D26(-6.985,1.905) D27(-8.255,1.905) D28(-9.525,1.905) D29(-10.795,1.905) D30(-12.065,1.905) D31(-13.335,1.905) D32(-14.605,1.905) D33(-15.875,1.905) D34(-17.145,1.905) D35(-18.415,1.905) D36(-19.685,1.905) D37(-20.955,1.905) D38(-22.225,1.905) D39(-23.495,1.905) D40(-24.765,1.905) E1(24.765,0.635) E2(23.495,0.635) E3(22.225,0.635) E4(20.955,0.635) E5(19.685,0.635) E6(18.415,0.635) E7(17.145,0.635) E8(15.875,0.635) E9(14.605,0.635) E10(13.335,0.635) E11(12.065,0.635) E12(10.795,0.635) E13(9.525,0.635) E14(8.255,0.635) E15(6.985,0.635) E16(5.715,0.635) E17(4.445,0.635) E18(3.175,0.635) E19(1.905,0.635) E20(0.635,0.635) E21(-0.635,0.635) E22(-1.905,0.635) E23(-3.175,0.635) E24(-4.445,0.635) E25(-5.715,0.635) E26(-6.985,0.635) E27(-8.255,0.635) E28(-9.525,0.635) E29(-10.795,0.635) E30(-12.065,0.635) E31(-13.335,0.635) E32(-14.605,0.635) E33(-15.875,0.635) E34(-17.145,0.635) E35(-18.415,0.635) E36(-19.685,0.635) E37(-20.955,0.635) E38(-22.225,0.635) E39(-23.495,0.635) E40(-24.765,0.635) F1(24.765,-0.635) F2(23.495,-0.635) F3(22.225,-0.635) F4(20.955,-0.635) F5(19.685,-0.635) F6(18.415,-0.635) F7(17.145,-0.635) F8(15.875,-0.635) F9(14.605,-0.635) F10(13.335,-0.635) F11(12.065,-0.635) F12(10.795,-0.635) F13(9.525,-0.635) F14(8.255,-0.635) F15(6.985,-0.635) F16(5.715,-0.635) F17(4.445,-0.635) F18(3.175,-0.635) F19(1.905,-0.635) F20(0.635,-0.635) F21(-0.635,-0.635) F22(-1.905,-0.635) F23(-3.175,-0.635) F24(-4.445,-0.635) F25(-5.715,-0.635) F26(-6.985,-0.635) F27(-8.255,-0.635) F28(-9.525,-0.635) F29(-10.795,-0.635) F30(-12.065,-0.635) F31(-13.335,-0.635) F32(-14.605,-0.635) F33(-15.875,-0.635) F34(-17.145,-0.635) F35(-18.415,-0.635) F36(-19.685,-0.635) F37(-20.955,-0.635) F38(-22.225,-0.635) F39(-23.495,-0.635) F40(-24.765,-0.635) G1(24.765,-1.905) G2(23.495,-1.905) G3(22.225,-1.905) G4(20.955,-1.905) G5(19.685,-1.905) G6(18.415,-1.905) G7(17.145,-1.905) G8(15.875,-1.905) G9(14.605,-1.905) G10(13.335,-1.905) G11(12.065,-1.905) G12(10.795,-1.905) G13(9.525,-1.905) G14(8.255,-1.905) G15(6.985,-1.905) G16(5.715,-1.905) G17(4.445,-1.905) G18(3.175,-1.905) G19(1.905,-1.905) G20(0.635,-1.905) G21(-0.635,-1.905) G22(-1.905,-1.905) G23(-3.175,-1.905) G24(-4.445,-1.905) G25(-5.715,-1.905) G26(-6.985,-1.905) G27(-8.255,-1.905) G28(-9.525,-1.905) G29(-10.795,-1.905) G30(-12.065,-1.905) G31(-13.335,-1.905) G32(-14.605,-1.905) G33(-15.875,-1.905) G34(-17.145,-1.905) G35(-18.415,-1.905) G36(-19.685,-1.905) G37(-20.955,-1.905) G38(-22.225,-1.905) G39(-23.495,-1.905) G40(-24.765,-1.905) H1(24.765,-3.175) H2(23.495,-3.175) H3(22.225,-3.175) H4(20.955,-3.175) H5(19.685,-3.175) H6(18.415,-3.175) H7(17.145,-3.175) H8(15.875,-3.175) H9(14.605,-3.175) H10(13.335,-3.175) H11(12.065,-3.175) H12(10.795,-3.175) H13(9.525,-3.175) H14(8.255,-3.175) H15(6.985,-3.175) H16(5.715,-3.175) H17(4.445,-3.175) H18(3.175,-3.175) H19(1.905,-3.175) H20(0.635,-3.175) H21(-0.635,-3.175) H22(-1.905,-3.175) H23(-3.175,-3.175) H24(-4.445,-3.175) H25(-5.715,-3.175) H26(-6.985,-3.175) H27(-8.255,-3.175) H28(-9.525,-3.175) H29(-10.795,-3.175) H30(-12.065,-3.175) H31(-13.335,-3.175) H32(-14.605,-3.175) H33(-15.875,-3.175) H34(-17.145,-3.175) H35(-18.415,-3.175) H36(-19.685,-3.175) H37(-20.955,-3.175) H38(-22.225,-3.175) H39(-23.495,-3.175) H40(-24.765,-3.175) J1(24.765,-4.445) J2(23.495,-4.445) J3(22.225,-4.445) J4(20.955,-4.445) J5(19.685,-4.445) J6(18.415,-4.445) J7(17.145,-4.445) J8(15.875,-4.445) J9(14.605,-4.445) J10(13.335,-4.445) J11(12.065,-4.445) J12(10.795,-4.445) J13(9.525,-4.445) J14(8.255,-4.445) J15(6.985,-4.445) J16(5.715,-4.445) J17(4.445,-4.445) J18(3.175,-4.445) J19(1.905,-4.445) J20(0.635,-4.445) J21(-0.635,-4.445) J22(-1.905,-4.445) J23(-3.175,-4.445) J24(-4.445,-4.445) J25(-5.715,-4.445) J26(-6.985,-4.445) J27(-8.255,-4.445) J28(-9.525,-4.445) J29(-10.795,-4.445) J30(-12.065,-4.445) J31(-13.335,-4.445) J32(-14.605,-4.445) J33(-15.875,-4.445) J34(-17.145,-4.445) J35(-18.415,-4.445) J36(-19.685,-4.445) J37(-20.955,-4.445) J38(-22.225,-4.445) J39(-23.495,-4.445) J40(-24.765,-4.445) K1(24.765,-5.715) K2(23.495,-5.715) K3(22.225,-5.715) K4(20.955,-5.715) K5(19.685,-5.715) K6(18.415,-5.715) K7(17.145,-5.715) K8(15.875,-5.715) K9(14.605,-5.715) K10(13.335,-5.715) K11(12.065,-5.715) K12(10.795,-5.715) K13(9.525,-5.715) K14(8.255,-5.715) K15(6.985,-5.715) K16(5.715,-5.715) K17(4.445,-5.715) K18(3.175,-5.715) K19(1.905,-5.715) K20(0.635,-5.715) K21(-0.635,-5.715) K22(-1.905,-5.715) K23(-3.175,-5.715) K24(-4.445,-5.715) K25(-5.715,-5.715) K26(-6.985,-5.715) K27(-8.255,-5.715) K28(-9.525,-5.715) K29(-10.795,-5.715) K30(-12.065,-5.715) K31(-13.335,-5.715) K32(-14.605,-5.715) K33(-15.875,-5.715) K34(-17.145,-5.715) K35(-18.415,-5.715) K36(-19.685,-5.715) K37(-20.955,-5.715) K38(-22.225,-5.715) K39(-23.495,-5.715) K40(-24.765,-5.715)
  Keep-Out Layer circle w0.025: c-27.19,-3.05 r0.95
  Keep-Out Layer circle w0.025: c27.19,0 r0.95
  silkscreen extent -28,-7.5 29,7.5, body extent -27.89,-7.34 28.78,7.34, height 7.16
"J-FH55-22S-0.5SH - Inverted Pins" [mm]
  oval 0.3x0.65 smd: 1(5.25,0) 2(4.75,0) 3(4.25,0) 4(3.75,0) 5(3.25,0) 6(2.75,0) 7(2.25,0) 8(1.75,0) 9(1.25,0) 10(0.75,0) 11(0.25,0) 12(-0.25,0) 13(-0.75,0) 14(-1.25,0) 15(-1.75,0) 16(-2.25,0) 17(-2.75,0) 18(-3.25,0) 19(-3.75,0) 20(-4.25,0) 21(-4.75,0) 22(-5.25,0)
  rrect50% 0.7x1.5 smd: 23(-6.85,-3.25) 24(6.85,-3.25)
  silkscreen extent -7.2,-4 7.2,0.15, body extent -7.2,-4.05 7.2,0.2, height 1.46
J-JUMPER-2.54 [mm]
  silkscreen extent -2.25,-1 2.25,1, body extent -2.5,-1.25 2.5,1.25, height 9.5
LED-PLCC4 [mm]
  rrect20% 1.1x1.5 smd: 1(-0.75,-1.5) 2(-0.75,1.5) 3(0.75,1.5) 4(0.75,-1.5)
  silkscreen extent -1.5,-1.7 1.5,1.7
"PCB LABEL 7x7" [mm]
  silkscreen extent -3.5,-3.5 3.5,3.5, body extent -3.5,-3.5 3.5,3.5, height 0.1
"PCB TEXTFIELD BOT 2" [mm]
"PCB TEXTFIELD TOP 2" [mm]
PCB_MARKER_PAD_TOP [mm] "PCB Marker with Pad for X-/Y-Coordinates (Single Layer)"
  round 0.8 smd paste-999 mask+0.4: 1(0,0)
  Layer1 Top keep-out circle w0.1: c0,0 r0.8
PCB_Marker_Pad_top [mm] "PCB Marker with Pad for X-/Y-Coordinates (Single Layer)"
  round 0.8 smd paste-999 mask+0.4: 1(0,0)
  Layer1 Top keep-out circle w0.1: c0,0 r0.8
R-0402_0.4 [mm]
  rrect20% 0.6x0.5 smd: 1(-0.55,0) 2(0.55,0)
  silkscreen extent -1,-0.4 1,0.4, body extent -0.53,-0.27 0.54,0.28, height 0.39
R-0603_0.6 [mm]
  rrect20% 0.7x0.8 smd: 1(-0.75,0) 2(0.75,0)
  silkscreen extent -1.25,-0.55 1.25,0.55, body extent -0.85,-0.45 0.85,0.45, height 0.59
TP_16_10 [mm] "Testpoint: Pad=1,6mm; Hole=1,0mm"
  round 1.6 hole 1: 1(0,0)
  silkscreen extent -0.8,-0.8 0.8,0.8, body extent -1.27,-1.27 1.27,1.27, height 8.57